# Altium PCB ZhuKong.PcbDoc (part 4 of 6)
Units mm, origin at the board's own origin, x right, y up, seen from the top; angles counter-clockwise.
Board outline 178.45 x 113.25 mm, 2 copper layers (Top Layer, Bottom Layer); 395 components, 351 nets, 1367 pads, 848 vias.
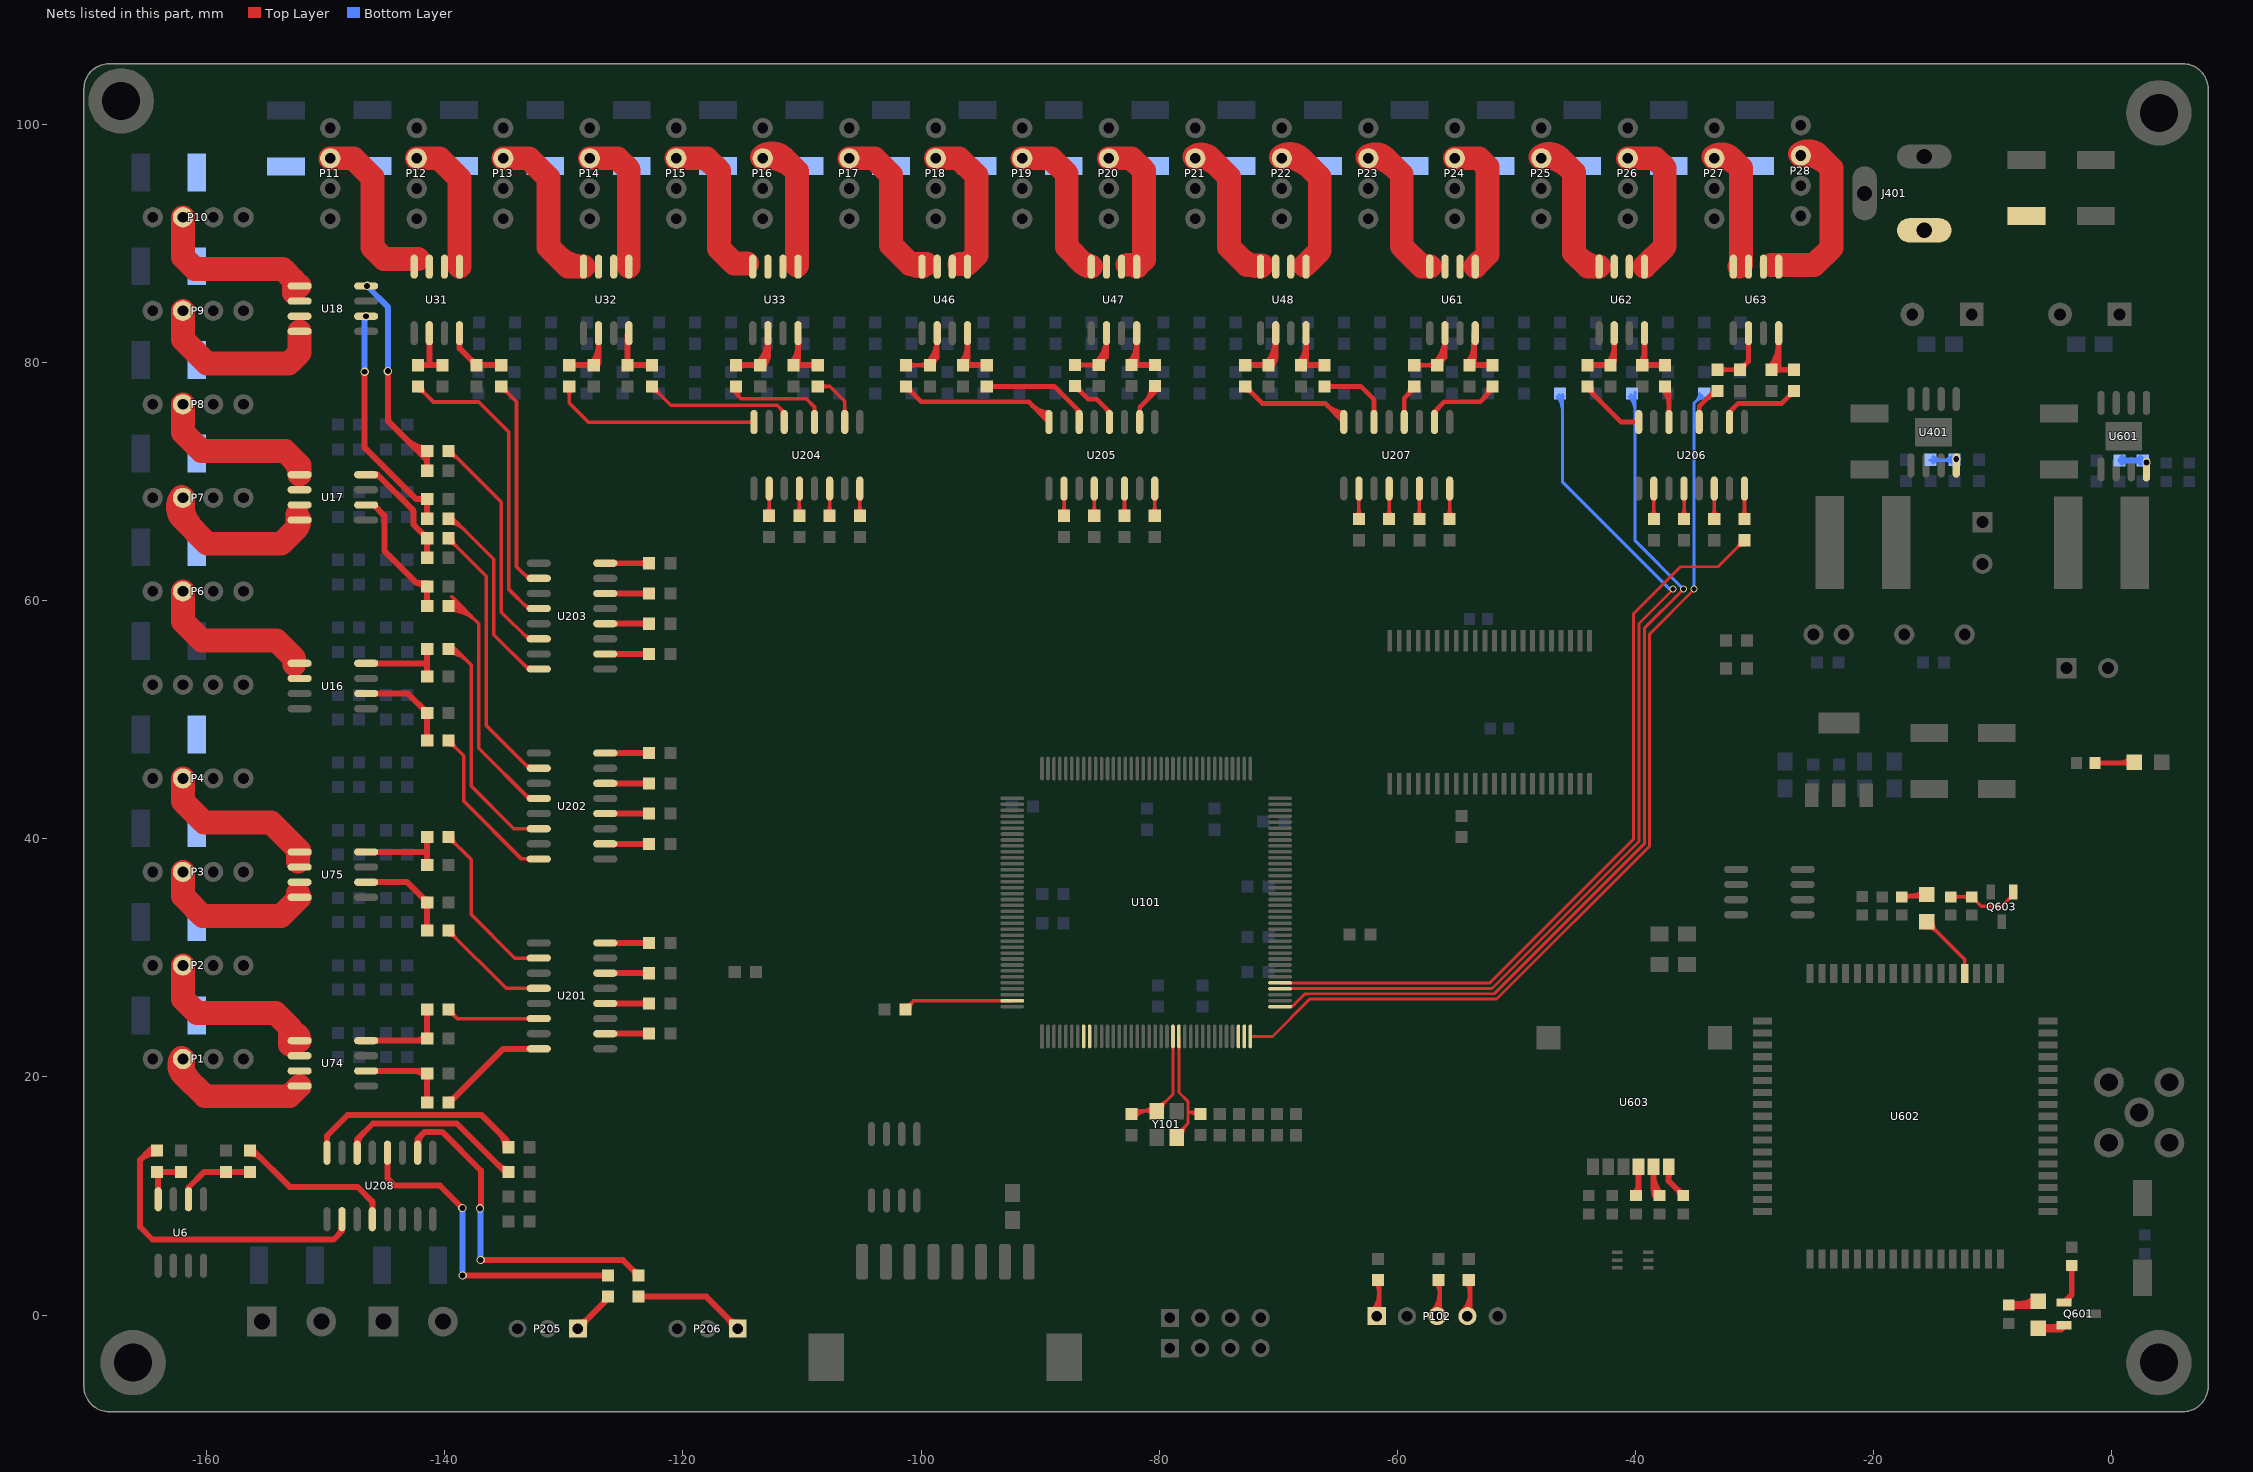
[diagram p4: the nets of this part, all layers, seen from the top]

## Via types
v1: diameter 0.5, hole 0.4, Top Layer to Bottom Layer, tented both sides, 554 vias
v2: diameter 0.7, hole 0.5, Top Layer to Bottom Layer, tented both sides, 134 vias
v3: diameter 0.6, hole 0.4, Top Layer to Bottom Layer, tented both sides, 77 vias
v4: diameter 0.7, hole 0.4, Top Layer to Bottom Layer, tented both sides, 40 vias
v5: diameter 0.8, hole 0.5, Top Layer to Bottom Layer, tented both sides, 32 vias
v6: diameter 0.5, hole 0.4, Top Layer to Bottom Layer, 5 vias
v7: diameter 0.9, hole 0.5, Top Layer to Bottom Layer, tented both sides, 4 vias
v8: diameter 0.5, hole 0.4, Top Layer to Bottom Layer, tented bottom, 1 vias
v9: diameter 0.8, hole 0.4, Top Layer to Bottom Layer, tented both sides, 1 vias

## Nets (pads, with @x,y where several pads share a name; then routed paths per layer and width w, separated by ;. In a path a pad name is that pad's centre, name@x,y a point inside that pad or via, vN(x,y) a via of type N, cw(c..) or ccw(c..) an arc to the next point about the centre after c; other vN are vias at no path point) (continued)
NetD10_2: D10.2 P7.2 U17.7 U17.8 | length 20
  Top Layer w2: P7.2@-162.159,68.656 ccw(c-158.186,68.656) -160.995,65.847 ; P7.2@-162.127,68.748 ccw(c-160.998,67.871) -162.009,66.86 ; P7.2@-162.009,68.656 -162.009,66.86 ; -152.535,66.032 ccw(c-153.295,66.792) U17.8@-152.22,66.792 ; -152.4,67.259 -152.4,66.167 -153.772,64.795 -159.944,64.795 -162.009,66.86
NetD11_2: D11.2 P9.2 U18.7 U18.8 | length 15.2
  Top Layer w2: P9.2@-162.009,84.37 -162.009,81.948 -159.995,79.934 -153.111,79.934 -152.204,80.841 U18.8@-152.204,82.641
NetD12_2: D12.2 P6.2 U16.5 U16.6 | length 13.7
  Top Layer w2: P6.2@-162.009,60.799 -162.009,58.275 -160.401,56.667 -154.153,56.667 -152.654,55.169 U16.5@-152.654,54.661
NetD13_2: D13.2 P8.2 U17.5 U17.6 | length 15.6
  Top Layer w2: P8.2@-162.009,76.513 -162.009,74.15 -160.452,72.593 -153.416,72.593 -152.204,71.382 U17.5@-152.204,70.602 ; -152.783,71.96 cw(c-154.142,70.602) U17.5@-152.22,70.602
NetD14_2: D14.2 P10.2 U18.5 U18.6 | length 14.6
  Top Layer w2: P10.2@-162.001,92.227 -162.001,88.875 -161.011,87.884 -153.619,87.884 -152.705,86.97 -152.705,85.877 ; U18.5@-152.244,86.509 cw(c-152.302,86.451) U18.5@-152.22,86.451
NetD15_2: D15.2 P11.2 U31.7 U31.8 | length 14.3
  Top Layer w2: P11.2@-149.631,97.18 -147.676,97.18 -146.075,95.58 -146.075,89.687 -145.11,88.722 -142.265,88.722
NetD16_2: D16.2 P13.2 U32.7 U32.8 | length 16.4
  Top Layer w2: P13.2@-135.097,97.18 -132.944,97.18 -131.293,95.529 -131.293,89.713 -129.657,88.077 U32.8@-128.357,88.077 ; -130.603,89.023 ccw(c-128.357,91.27) U32.8@-128.357,88.093
NetD17_2: D17.2 P15.2 U33.7 U33.8 | length 13.4
  Top Layer w2: P15.2@-120.562,97.18 -118.008,97.18 -116.967,96.139 -116.967,89.611 -115.697,88.341 -114.605,88.341
NetD18_2: D18.2 P12.2 U31.5 U31.6 | length 11.7
  Top Layer w2: P12.2@-142.364,97.18 -140.462,97.18 -138.768,95.486 U31.5@-138.768,88.077
NetD19_2: D19.2 P14.2 U32.5 U32.6 | length 11.8
  Top Layer w2: P14.2@-127.829,97.18 -125.501,97.18 -124.547,96.226 U32.5@-124.547,88.077
NetD20_2: D20.2 P16.2 U33.5 U33.6 | length 16.4
  Top Layer w2: P16.2@-113.386,97.299 cw(c-112.513,96.173) -111.506,97.18 ; P16.2@-113.294,97.18 -111.506,97.18 ; P16.2@-113.294,97.33 cw(c-113.294,93.375) -110.497,96.172 ; U33.5@-110.414,88.165 -110.414,96.088 -111.506,97.18
NetD21_2: D21.2 P17.2 U46.7 U46.8 | length 15.1
  Top Layer w2: P17.2@-106.027,97.18 -103.911,97.18 -102.514,95.783 -102.514,89.891 -100.914,88.29 -99.543,88.29 ; -101.284,88.66 ccw(c-99.915,90.028) U46.8@-99.915,88.093
NetD22_2: D22.2 P19.2 U47.7 U47.8 | length 13.4
  Top Layer w2: P19.2@-91.492,97.18 -89.078,97.18 -87.757,95.86 -87.757,89.738 -86.335,88.316 -86.182,88.316 ; -86.407,88.388 ccw(c-85.694,89.1) U47.8@-85.694,88.093
NetD23_2: D23.2 P21.2 U48.7 U48.8 | length 18.3
  Top Layer w2: P21.2@-77.043,97.304 cw(c-76.442,96.431) -75.692,97.18 ; P21.2@-76.958,97.18 -75.692,97.18 ; P21.2@-76.958,97.33 cw(c-76.958,94.637) -75.053,96.542 ; -73.221,88.817 ccw(c-71.474,90.564) U48.8@-71.474,88.093 ; U48.8@-71.336,88.201 -72.606,88.201 -74.117,89.713 -74.117,95.606 -75.692,97.18
NetD24_2: D24.2 P18.2 U46.5 U46.6 | length 12.4
  Top Layer w2: P18.2@-98.76,97.18 -96.799,97.18 -95.352,95.733 -95.352,89.052 -96.114,88.29 -96.774,88.29
NetD25_2: D25.2 P20.2 U47.5 U47.6 | length 12.4
  Top Layer w2: P20.2@-84.225,97.18 -82.321,97.18 -81.28,96.139 -81.28,88.681 -81.722,88.24 -82.652,88.24 ; U47.5@-81.884,88.093 ccw(c-81.884,88.132) U47.5@-81.857,88.104
NetD26_2: D26.2 P22.2 U48.5 U48.6 | length 16.4
  Top Layer w2: P22.2@-69.78,97.3 cw(c-69.008,96.27) -68.097,97.18 ; P22.2@-69.69,97.18 -68.097,97.18 ; P22.2@-69.69,97.33 cw(c-69.69,93.847) -67.227,96.31 ; U48.5@-67.78,88.151 -66.497,89.433 -66.497,95.58 -68.097,97.18
NetD27_2: D27.2 P23.2 U61.7 U61.8 | length 17.8
  Top Layer w2: P23.2@-62.511,97.302 cw(c-61.819,96.347) -60.985,97.18 ; P23.2@-62.423,97.18 -60.985,97.18 ; P23.2@-62.423,97.33 cw(c-62.423,94.222) -60.225,96.42 ; -58.388,88.563 ccw(c-57.253,89.698) U61.8@-57.253,88.093 ; U61.8@-57.253,88.077 -57.902,88.077 -59.614,89.789 -59.614,95.809 -60.985,97.18
NetD28_2: D28.2 P25.2 U62.7 U62.8 | length 18.9
  Top Layer w2: P25.2@-47.978,97.301 cw(c-47.223,96.287) -46.33,97.18 ; P25.2@-47.888,97.18 -46.33,97.18 ; P25.2@-47.888,97.33 cw(c-47.888,93.93) -45.484,96.335 ; -44.682,88.776 ccw(c-43.032,90.427) U62.8@-43.032,88.093 ; U62.8@-43.032,88.077 -43.983,88.077 -45.136,89.23 -45.136,95.987 -46.33,97.18
NetD29_2: D29.2 P27.2 U63.7 U63.8 | length 15
  Top Layer w2: P27.2@-33.441,97.302 cw(c-32.756,96.352) -31.928,97.18 ; P27.2@-33.353,97.18 -31.928,97.18 ; P27.2@-33.353,97.33 cw(c-33.353,94.251) -31.176,96.429 ; -31.267,88.087 -31.115,88.24 -31.115,96.368 -31.928,97.18
NetD30_2: D30.2 P24.2 U61.5 U61.6 | length 11.9
  Top Layer w2: P24.2@-55.155,97.18 -53.137,97.18 -52.4,96.444 -52.4,89.12 U61.5@-53.443,88.077 ; U61.5@-53.443,88.093 ccw(c-53.443,88.132) U61.5@-53.416,88.104
NetD31_2: D31.2 P26.2 U62.5 U62.6 | length 12.5
  Top Layer w2: P26.2@-40.621,97.18 -38.329,97.18 -37.516,96.368 -37.516,89.783 U62.5@-39.222,88.077 U62.5@-39.237,88.062 ; U62.5@-39.222,88.093 ccw(c-39.222,88.132) U62.5@-39.195,88.104
NetD32_2: D32.2 P28.2 U63.5 U63.6 | length 19.6
  Top Layer w2: -28.55,88.214 -24.968,88.214 -23.52,89.662 -23.52,96.342 -24.587,97.409 ; P28.2@-26.175,97.53 cw(c-25.451,96.545) -24.587,97.409 ; P28.2@-26.086,97.409 -24.587,97.409 ; P28.2@-26.086,97.559 cw(c-26.086,94.303) -23.784,96.605
NetD33_2: D33.2 P1.2 U74.7 U74.8 | length 15.9
  Top Layer w2: P1.2@-162.151,21.514 ccw(c-159.386,21.514) -161.341,19.558 ; P1.2@-162.124,21.599 ccw(c-161.237,20.983) -162.001,20.218 ; P1.2@-162.001,21.514 -162.001,20.218 ; U74.8@-152.232,19.216 ccw(c-152.259,19.243) U74.8@-152.22,19.243 ; U74.8@-152.204,19.243 -153.058,18.39 -160.172,18.39 -162.001,20.218
NetD34_2: D34.2 P3.2 U75.7 U75.8 | length 13.5
  Top Layer w2: P3.2@-162.009,37.228 -162.009,35.187 -160.35,33.528 -153.769,33.528 -152.349,34.948 -152.349,35.433 ; U75.8@-152.232,35.065 ccw(c-152.259,35.093) U75.8@-152.22,35.093
NetD35_2: D35.2 P2.2 U74.5 U74.6 | length 15.4
  Top Layer w2: P2.2@-162.009,29.371 -162.009,26.551 -160.833,25.375 -154.229,25.375 -153.01,24.155 -153.01,22.708 ; -152.442,23.588 cw(c-152.977,23.053) -152.22,23.053 ccw(c-152.977,23.053) -152.442,23.588
NetD36_2: D36.2 P4.2 U75.5 U75.6 | length 14.5
  Top Layer w2: P4.2@-162.009,45.085 -162.009,43.162 -160.223,41.377 -154.61,41.377 -152.349,39.116 -152.349,38.075 ; U75.5@-152.28,39.047 cw(c-152.425,38.903) U75.5@-152.22,38.903
NetD401_1: D401.1 J401.1
NetD602_2: D602.2 R601.2 | length 6
  Top Layer w0.4: R601.2@-1.389,46.38 D602.2@1.854,46.38 ; R601.2@-1.202,46.193 cw(c-0.749,45.741) -0.749,46.38 cw(c-0.749,47.02) R601.2@-1.202,46.568 ; 0.66,46.38 ccw(c0.66,47.727) D602.2@1.612,46.775 ; 1.028,46.38 cw(c1.028,45.554) D602.2@1.612,46.138
NetD607_1: D607.1 R611.1 | length 3.6
  Top Layer w0.7: R611.1@-8.611,0.846 D607.1@-6.444,0.846 ; -7.624,0.846 ccw(c-7.624,2.671) D607.1@-6.334,1.381
NetD607_2: D607.2 Q601.2 | length 4.1
  Top Layer w0.7: D607.2@-6.121,-1.118 -4.262,-1.118 Q601.2@-3.993,-0.848 ; D607.2@-5.909,-1.33 cw(c-5.397,-1.842) -5.397,-1.118 cw(c-5.397,-0.393) D607.2@-5.909,-0.905 ; -4.918,-1.118 ccw(c-4.918,-0.198) Q601.2@-4.268,-0.848
NetD608_1: D608.1 R609.1 | length 7.1
  Top Layer w0.3: R609.1@-17.602,35.136 D608.1@-15.689,35.136 ; R609.1@-17.419,35.409 ccw(c-16.859,36.372) -16.573,35.295 ; R609.1@-17.354,34.913 cw(c-16.817,34.376) -16.817,35.136 cw(c-16.817,35.897) R609.1@-17.354,35.359 ; R609.1@-17.305,34.978 cw(c-16.954,34.774) -17.058,35.167 ; R609.1@-17.172,35.136 ccw(c-17.172,37.01) D608.1@-15.848,35.685 ; -16.448,35.136 ccw(c-16.448,36.286) D608.1@-15.635,35.473 ; -16.23,35.136 cw(c-16.23,34.596) D608.1@-15.848,34.978
NetD608_2: D608.2 U602.4 | length 8.1
  Top Layer w0.3: D608.2@-15.494,32.545 cw(c-15.494,31.338) -14.64,32.192 cw(c-13.787,33.045) D608.2@-14.994,33.045 ; D608.2@-15.494,33.045 -12.322,29.873 U602.4@-12.322,28.702 ; U602.4@-12.428,29.308 ccw(c-12.684,29.564) -12.322,29.564 ccw(c-11.96,29.564) U602.4@-12.216,29.308
NetP102_1: P102.1 R12.2 | length 7
  Top Layer w0.4: P102.1@-62.112,0.303 ccw(c-63.581,1.773) -61.504,1.773 ; P102.1@-61.829,0.021 ccw(c-62.616,0.807) -61.504,0.807 ; R12.2@-61.813,2.729 cw(c-62.559,1.982) -61.504,1.982 ; P102.1@-61.504,-0.094 R12.2@-61.504,2.728 ; -61.504,0.753 ccw(c-60.868,0.753) P102.1@-61.317,0.303 ; -61.504,2.423 cw(c-61.072,2.423) R12.2@-61.377,2.729
NetP102_3: P102.3 R10.2 | length 7.1
  Top Layer w0.4: P102.3@-57.032,0.303 ccw(c-58.501,1.773) -56.424,1.773 ; P102.3@-56.749,0.021 ccw(c-57.536,0.807) -56.424,0.807 ; R10.2@-56.743,2.729 cw(c-57.514,1.958) -56.424,1.958 ; P102.3@-56.424,-0.094 R10.2@-56.424,2.845 ; -56.424,0.753 ccw(c-55.788,0.753) P102.3@-56.237,0.303 ; R10.2@-56.424,2.448 cw(c-56.027,2.448) R10.2@-56.307,2.729
NetP102_4: P102.4 R11.2 | length 7.1
  Top Layer w0.4: P102.4@-54.492,0.303 ccw(c-55.961,1.773) -53.884,1.773 ; P102.4@-54.209,0.021 ccw(c-54.996,0.807) -53.884,0.807 ; R11.2@-54.203,2.729 cw(c-54.974,1.958) -53.884,1.958 ; P102.4@-53.884,-0.094 R11.2@-53.884,2.845 ; -53.884,0.753 ccw(c-53.248,0.753) P102.4@-53.697,0.303 ; R11.2@-53.884,2.448 cw(c-53.487,2.448) R11.2@-53.767,2.729
NetP205_1: P205.1 R113.1 | length 6.3
  Top Layer w0.5: P205.1@-128.829,-1.143 R113.1@-126.289,1.397 ; P205.1@-128.829,-0.643 ccw(c-128.829,0.564) -127.975,-0.289 ccw(c-127.122,-1.143) P205.1@-128.329,-1.143 ; -126.837,0.849 ccw(c-127.538,1.549) R113.1@-126.547,1.549
NetP206_1: P206.1 R115.1 | length 11.9
  Top Layer w0.5: R115.1@-123.749,1.549 -118.034,1.549 P206.1@-115.722,-0.762 ; R115.1@-123.566,1.367 cw(c-123.126,0.927) -123.126,1.549 cw(c-123.126,2.172) R115.1@-123.566,1.732 ; -116.282,-0.203 cw(c-117.222,-1.143) P206.1@-115.892,-1.143 ; -116.159,-0.325 ccw(c-115.392,0.441) P206.1@-115.392,-0.643
NetQ601_1: Q601.1 R605.1 | length 4.9
  Top Layer w0.5: Q601.1@-3.993,1.052 -3.327,1.717 R605.1@-3.327,4.158 ; Q601.1@-3.618,1.052 cw(c-2.713,1.052) -3.353,1.692 ; R605.1@-3.479,4.006 cw(c-3.846,3.639) -3.327,3.639 cw(c-2.808,3.639) R605.1@-3.175,4.006
NetQ603_1: Q603.1 R612.2 R614.2 | length 8.7
  Top Layer w0.3: R612.2@-13.487,35.136 R614.2@-11.735,35.136 -10.939,34.341 -9.22,34.341 Q603.1@-8.021,35.54 ; R612.2@-13.24,34.913 cw(c-12.702,34.376) -12.702,35.136 cw(c-12.702,35.897) R612.2@-13.24,35.359 ; R614.2@-11.983,34.913 ccw(c-12.52,34.376) -12.52,35.136 ccw(c-12.52,35.897) R614.2@-11.983,35.359
NetR7_1: R7.1 U101.143 | length 10.7
  Top Layer w0.3: R7.1@-101.346,25.679 -100.615,26.411 U101.143@-92.334,26.411 ; R7.1@-101.295,26.012 ccw(c-101.295,26.692) -100.814,26.211 ; R7.1@-100.937,25.654 cw(c-99.889,25.654) -100.63,26.395
NetR20_1: R20.1 R21.2 U6.2 | length 7.3
  Top Layer w0.5: U6.2@-161.544,9.728 -161.544,10.719 -160.231,12.032 R20.1@-158.393,12.032 ; R20.1@-157.988,12.032 R21.2@-156.378,12.032 ; R21.2@-156.56,11.85 ccw(c-157,11.409) -157,12.032 ccw(c-157,12.655) R21.2@-156.56,12.214
NetR21_1: R21.1 U208.12 | length 14.6
  Top Layer w0.5: R21.1@-156.378,13.552 cw(c-156.378,12.2) -155.421,13.156 ; R21.1@-156.378,13.81 -156.075,13.81 -153.035,10.77 -147.345,10.77 -146.101,9.525 U208.12@-146.101,8.052
NetR22_2: R22.2 U208.6 | length 17.8
  Top Layer w0.5: U208.6@-147.371,13.64 -147.371,14.757 -146.036,16.092 -139.003,16.092 R22.2@-134.861,11.951 ; U208.6@-147.316,14.351 cw(c-146.203,14.351) -146.99,15.138 ; -135.559,12.649 ccw(c-134.671,13.537) R22.2@-134.671,12.281
NetR23_1: R23.1 R24.2 U6.4 | length 6.4
  Top Layer w0.5: R24.2@-164.201,12.032 R24.2@-164.084,12.032 ; U6.4@-164.084,9.728 R24.2@-164.084,12.032 ; R24.2@-164.084,12.149 R24.2@-164.084,12.032 ; R24.2@-164.018,11.85 cw(c-163.578,11.409) -163.578,12.032 cw(c-163.578,12.655) R24.2@-164.018,12.214 ; R23.1@-162.368,11.85 ccw(c-162.809,11.409) -162.809,12.032 ccw(c-162.809,12.655) R23.1@-162.368,12.214 ; R23.1@-162.186,12.032 R24.2@-164.084,12.032
NetR24_1: R24.1 U208.10 | length 29.9
  Top Layer w0.5: -165.608,13.03 cw(c-164.337,11.76) R24.1@-164.218,13.553 ; R24.1@-164.383,13.628 ccw(c-164.824,13.187) -164.824,13.81 ccw(c-164.824,14.433) R24.1@-164.383,13.992 ; R24.1@-164.201,13.81 -164.828,13.81 ; R24.1@-164.185,14.051 ccw(c-164.24,13.221) -164.829,13.809 ; -148.932,6.77 ccw(c-149.502,7.341) U208.10@-148.696,7.341 ; U208.10@-148.641,8.052 -148.641,7.061 -149.352,6.35 -164.567,6.35 -165.608,7.391 -165.608,13.03 -164.828,13.81
NetR25_2: R25.2 U208.8 | length 21.1
  Top Layer w0.5: U208.8@-149.911,13.64 -149.911,15.062 -148.181,16.792 -136.909,16.792 -134.874,14.757 ; -135.435,15.318 cw(c-136.655,14.097) R25.2@-134.929,14.097 ; R25.2@-134.874,14.097 -134.874,14.757 ; R25.2@-134.862,14.27 ccw(c-135.124,14.508) -134.874,14.757 ; R25.2@-134.582,14.339 cw(c-134.429,14.757) -134.874,14.757
NetR29_1: R29.1 R32.2 U16.2 | length 11
  Top Layer w0.5: U16.2@-146.616,52.212 -143.112,52.212 R29.1@-141.486,50.586 R32.2@-141.486,48.276 ; R29.1@-141.744,50.586 ccw(c-142.366,50.586) -141.926,51.026 ccw(c-141.486,51.467) R29.1@-141.486,50.844 ; R32.2@-141.668,48.458 ccw(c-142.108,48.899) -141.486,48.899 ccw(c-140.863,48.899) R32.2@-141.303,48.458 ; R29.1@-141.668,50.403 cw(c-142.108,49.963) -141.486,49.963 cw(c-140.863,49.963) R29.1@-141.303,50.403
NetR30_1: R30.1 R33.2 U17.2 | length 13.5
  Top Layer w0.5: U17.2@-146.616,68.062 -145.989,68.062 -145.085,67.158 -145.085,64.211 -142.361,61.488 ; R30.1@-141.714,61.098 ccw(c-142.361,60.755) -142.361,61.488 ; R33.2@-141.668,59.761 ccw(c-142.079,60.171) -141.498,60.171 ; R30.1@-141.668,61.036 cw(c-142.079,60.625) -141.498,60.625 ; R33.2@-141.498,59.59 R30.1@-141.498,60.726 ; -141.498,60.231 ccw(c-140.833,60.231) R33.2@-141.303,59.761 ; -141.498,60.566 cw(c-140.833,60.566) R30.1@-141.303,61.036 ; R30.1@-141.498,61.488 -142.361,61.488
NetR31_1: R31.1 R34.2 U18.2 | length 22.7
  Top Layer w0.5: v2(-146.736,79.248) -146.736,72.873 -142.404,68.541 R31.1@-141.486,68.541 R34.2@-141.486,66.901 ; R34.2@-141.668,67.083 ccw(c-142.108,67.524) -141.486,67.524 ccw(c-140.863,67.524) R34.2@-141.303,67.083 ; R31.1@-141.668,68.723 cw(c-142.108,69.164) -142.108,68.541 cw(c-142.108,67.918) -141.668,68.358 cw(c-142.108,67.918) -141.486,67.918 cw(c-140.863,67.918) R31.1@-141.303,68.358
  Bottom Layer w0.5: v2(-146.736,79.248) v2@-146.736,83.922
  other v2: -146.616,83.911
NetR32_1: R32.1 U202.16 | length 15.9
  Top Layer w0.3: R32.1@-139.708,47.918 cw(c-139.708,47.054) -139.096,47.665 cw(c-138.485,48.276) R32.1@-139.35,48.276 ; R32.1@-139.708,48.276 -138.43,46.998 -138.43,43.18 -133.568,38.318 U202.16@-132.113,38.318 ; U202.16@-132.934,38.209 ccw(c-133.198,37.945) -133.198,38.318 ccw(c-133.198,38.692) U202.16@-132.934,38.428
NetR33_1: R33.1 U202.12 | length 27.6
  Top Layer w0.3: R33.1@-139.708,59.22 cw(c-139.708,55.799) -137.288,58.218 ; R33.1@-139.708,59.52 cw(c-139.708,56.823) -137.8,58.73 ; R33.1@-139.708,59.578 R33.1@-139.41,59.578 ; R33.1@-139.708,59.82 cw(c-139.708,57.847) -138.313,59.242 ; -139.41,60.34 -137.16,58.09 -137.16,47.625 -132.933,43.398 U202.12@-132.113,43.398 ; -133.275,43.74 ccw(c-132.824,44.191) U202.12@-132.824,43.553
NetR34_1: R34.1 U203.16 | length 19.6
  Top Layer w0.3: R34.1@-139.708,66.543 cw(c-139.708,64.672) -138.385,65.995 ; R34.1@-139.708,66.843 cw(c-139.708,65.696) -138.897,66.507 ; R34.1@-139.708,66.901 -139.291,66.901 -135.89,63.5 -135.89,57.15 -133.01,54.27 U203.16@-132.113,54.27 ; -133.405,54.665 ccw(c-132.824,55.246) U203.16@-132.824,54.424
NetR35_2: R35.2 U202.2 | length 4.7
  Top Layer w0.5: U202.2@-126.525,39.588 R35.2@-122.842,39.588 ; R35.2@-123.024,39.406 ccw(c-123.465,38.966) -123.465,39.588 ccw(c-123.465,40.211) R35.2@-123.024,39.771
NetR36_2: R36.2 U202.6 | length 4.7
  Top Layer w0.5: U202.6@-126.525,44.668 R36.2@-122.842,44.668 ; R36.2@-123.024,44.486 ccw(c-123.465,44.046) -123.465,44.668 ccw(c-123.465,45.291) R36.2@-123.024,44.851
NetR37_2: R37.2 U203.2 | length 4.7
  Top Layer w0.5: U203.2@-126.525,55.54 R37.2@-122.842,55.54 ; R37.2@-123.024,55.357 ccw(c-123.465,54.917) -123.465,55.54 ccw(c-123.465,56.162) R37.2@-123.024,55.722
NetR38_1: R38.1 R41.2 U16.4 | length 11.6
  Top Layer w0.5: U16.4@-146.616,54.752 -141.486,54.752 R41.2@-141.486,55.967 R38.1@-141.486,53.657 ; R38.1@-141.668,53.84 ccw(c-142.108,54.28) -141.486,54.28 ccw(c-140.863,54.28) R38.1@-141.303,53.84 ; -141.486,55.344 cw(c-140.863,55.344) -141.303,55.785 ccw(c-140.863,55.344) -141.486,55.344 ; -141.486,55.344 ccw(c-142.108,55.344) -141.668,55.785 cw(c-142.108,55.344) -141.486,55.344
NetR39_1: R39.1 R42.2 U17.4 | length 12.8
  Top Layer w0.5: U17.4@-146.616,70.602 -145.659,70.602 -142.621,67.564 -142.621,66.396 -142.444,66.219 -142.444,66.206 -142.18,65.943 -142.168,65.943 R42.2@-141.732,65.507 ; U17.4@-145.905,70.547 cw(c-145.905,69.82) -145.391,70.334 ; R42.2@-141.744,65.261 ccw(c-142.366,65.261) -141.926,65.701 ccw(c-141.486,66.141) R42.2@-141.486,65.519 ; R39.1@-141.668,63.803 ccw(c-142.108,64.243) -141.486,64.243 ccw(c-140.863,64.243) R39.1@-141.303,63.803 ; R42.2@-141.668,65.078 cw(c-142.108,64.638) -141.486,64.638 cw(c-140.863,64.638) R42.2@-141.303,65.078 ; R39.1@-141.486,63.62 R42.2@-141.486,65.261
NetR40_1: R40.1 R43.2 U18.4 | length 23.2
  Top Layer w0.5: v2(-144.791,79.299) -144.791,75.127 -141.486,71.821 ; -143.227,73.562 ccw(c-141.486,75.303) R43.2@-141.486,72.841 ; -142.373,72.709 ccw(c-141.486,73.596) R43.2@-141.486,72.341 ; R40.1@-141.668,71.114 ccw(c-142.108,71.555) -141.486,71.555 ccw(c-140.863,71.555) R40.1@-141.303,71.114 ; R43.2@-141.668,72.401 cw(c-142.108,71.96) -141.486,71.96 cw(c-140.863,71.96) R43.2@-141.303,72.401 ; R40.1@-141.486,70.932 R43.2@-141.486,72.583
  Bottom Layer w0.5: v2@-146.507,86.411 -144.791,84.695 v2(-144.791,79.299)
  other v2: -146.533,86.462
NetR41_1: R41.1 U202.14 | length 24.5
  Top Layer w0.3: R41.1@-139.708,55.609 cw(c-139.708,53.404) -138.148,54.963 ; R41.1@-139.708,55.909 cw(c-139.708,54.428) -138.66,55.475 ; R41.1@-139.708,55.967 -139.152,55.967 ; R41.1@-139.708,56.209 cw(c-139.708,55.452) -139.173,55.988 ; R41.1@-139.382,55.819 cw(c-139.152,55.715) -139.152,55.967 ; R41.1@-139.382,56.115 ccw(c-139.152,56.219) -139.152,55.967 ; U202.14@-132.934,40.749 ccw(c-133.198,40.485) -133.198,40.858 ccw(c-133.198,41.232) U202.14@-132.934,40.968 ; U202.14@-132.113,40.858 -134.203,40.858 -137.795,44.45 -137.795,54.61 -139.152,55.967
NetR42_1: R42.1 U202.10 | length 24.8
  Top Layer w0.3: R42.1@-139.708,64.903 cw(c-139.708,64.038) -139.096,64.649 cw(c-138.485,65.261) R42.1@-139.35,65.261 ; R42.1@-139.708,65.261 -136.525,62.078 -136.525,49.53 -132.933,45.938 U202.10@-132.113,45.938 ; -133.275,46.28 ccw(c-132.824,46.731) U202.10@-132.824,46.093
NetR43_1: R43.1 U203.14 | length 21.7
  Top Layer w0.3: R43.1@-139.751,72.796 -135.255,68.301 -135.255,59.055 -133.01,56.81 U203.14@-132.113,56.81 ; R43.1@-139.708,72.225 cw(c-139.708,70.95) -138.806,71.851 ; R43.1@-139.35,72.583 ccw(c-138.896,72.583) R43.1@-139.217,72.262 ; -133.405,57.205 ccw(c-132.824,57.786) U203.14@-132.824,56.964
NetR44_2: R44.2 U202.4 | length 4.7
  Top Layer w0.5: U202.4@-126.525,42.128 R44.2@-122.842,42.128 ; R44.2@-123.024,41.946 ccw(c-123.465,41.506) -123.465,42.128 ccw(c-123.465,42.751) R44.2@-123.024,42.311
NetR45_2: R45.2 U202.8 | length 4.7
  Top Layer w0.5: U202.8@-126.525,47.208 R45.2@-122.842,47.208 ; R45.2@-123.024,47.026 ccw(c-123.465,46.586) -123.465,47.208 ccw(c-123.465,47.831) R45.2@-123.024,47.391
NetR46_2: R46.2 U203.4 | length 4.7
  Top Layer w0.5: U203.4@-126.525,58.08 R46.2@-122.842,58.08 ; R46.2@-123.024,57.897 ccw(c-123.465,57.457) -123.465,58.08 ccw(c-123.465,58.702) R46.2@-123.024,58.262
NetR47_1: R47.1 R50.2 U31.2 | length 6.7
  Top Layer w0.5: R50.2@-142.273,79.797 R47.1@-140.19,79.797 ; R50.2@-142.091,79.614 cw(c-141.65,79.174) -141.65,79.797 cw(c-141.65,80.419) R50.2@-142.091,79.979 ; -141.308,79.84 U31.2@-141.308,82.489 ; R47.1@-140.373,79.614 ccw(c-140.813,79.174) -140.813,79.797 ccw(c-140.813,80.419) R47.1@-140.373,79.979
NetR48_1: R48.1 R51.2 U32.2 | length 9.1
  Top Layer w0.5: R51.2@-129.554,79.797 R48.1@-127.495,79.797 -127.087,80.205 U32.2@-127.087,82.489 ; R51.2@-129.372,79.614 cw(c-128.931,79.174) -128.931,79.797 cw(c-128.931,80.419) R51.2@-129.372,79.979 ; R48.1@-127.678,79.614 ccw(c-128.118,79.174) -128.118,79.797 ccw(c-128.118,80.419) -127.678,79.979 ccw(c-129.105,81.406) -127.087,81.406 ; R48.1@-127.324,79.625 ccw(c-127.898,80.199) R48.1@-127.087,80.199